# KiCad board myCnc2.kicad_pcb (continued)
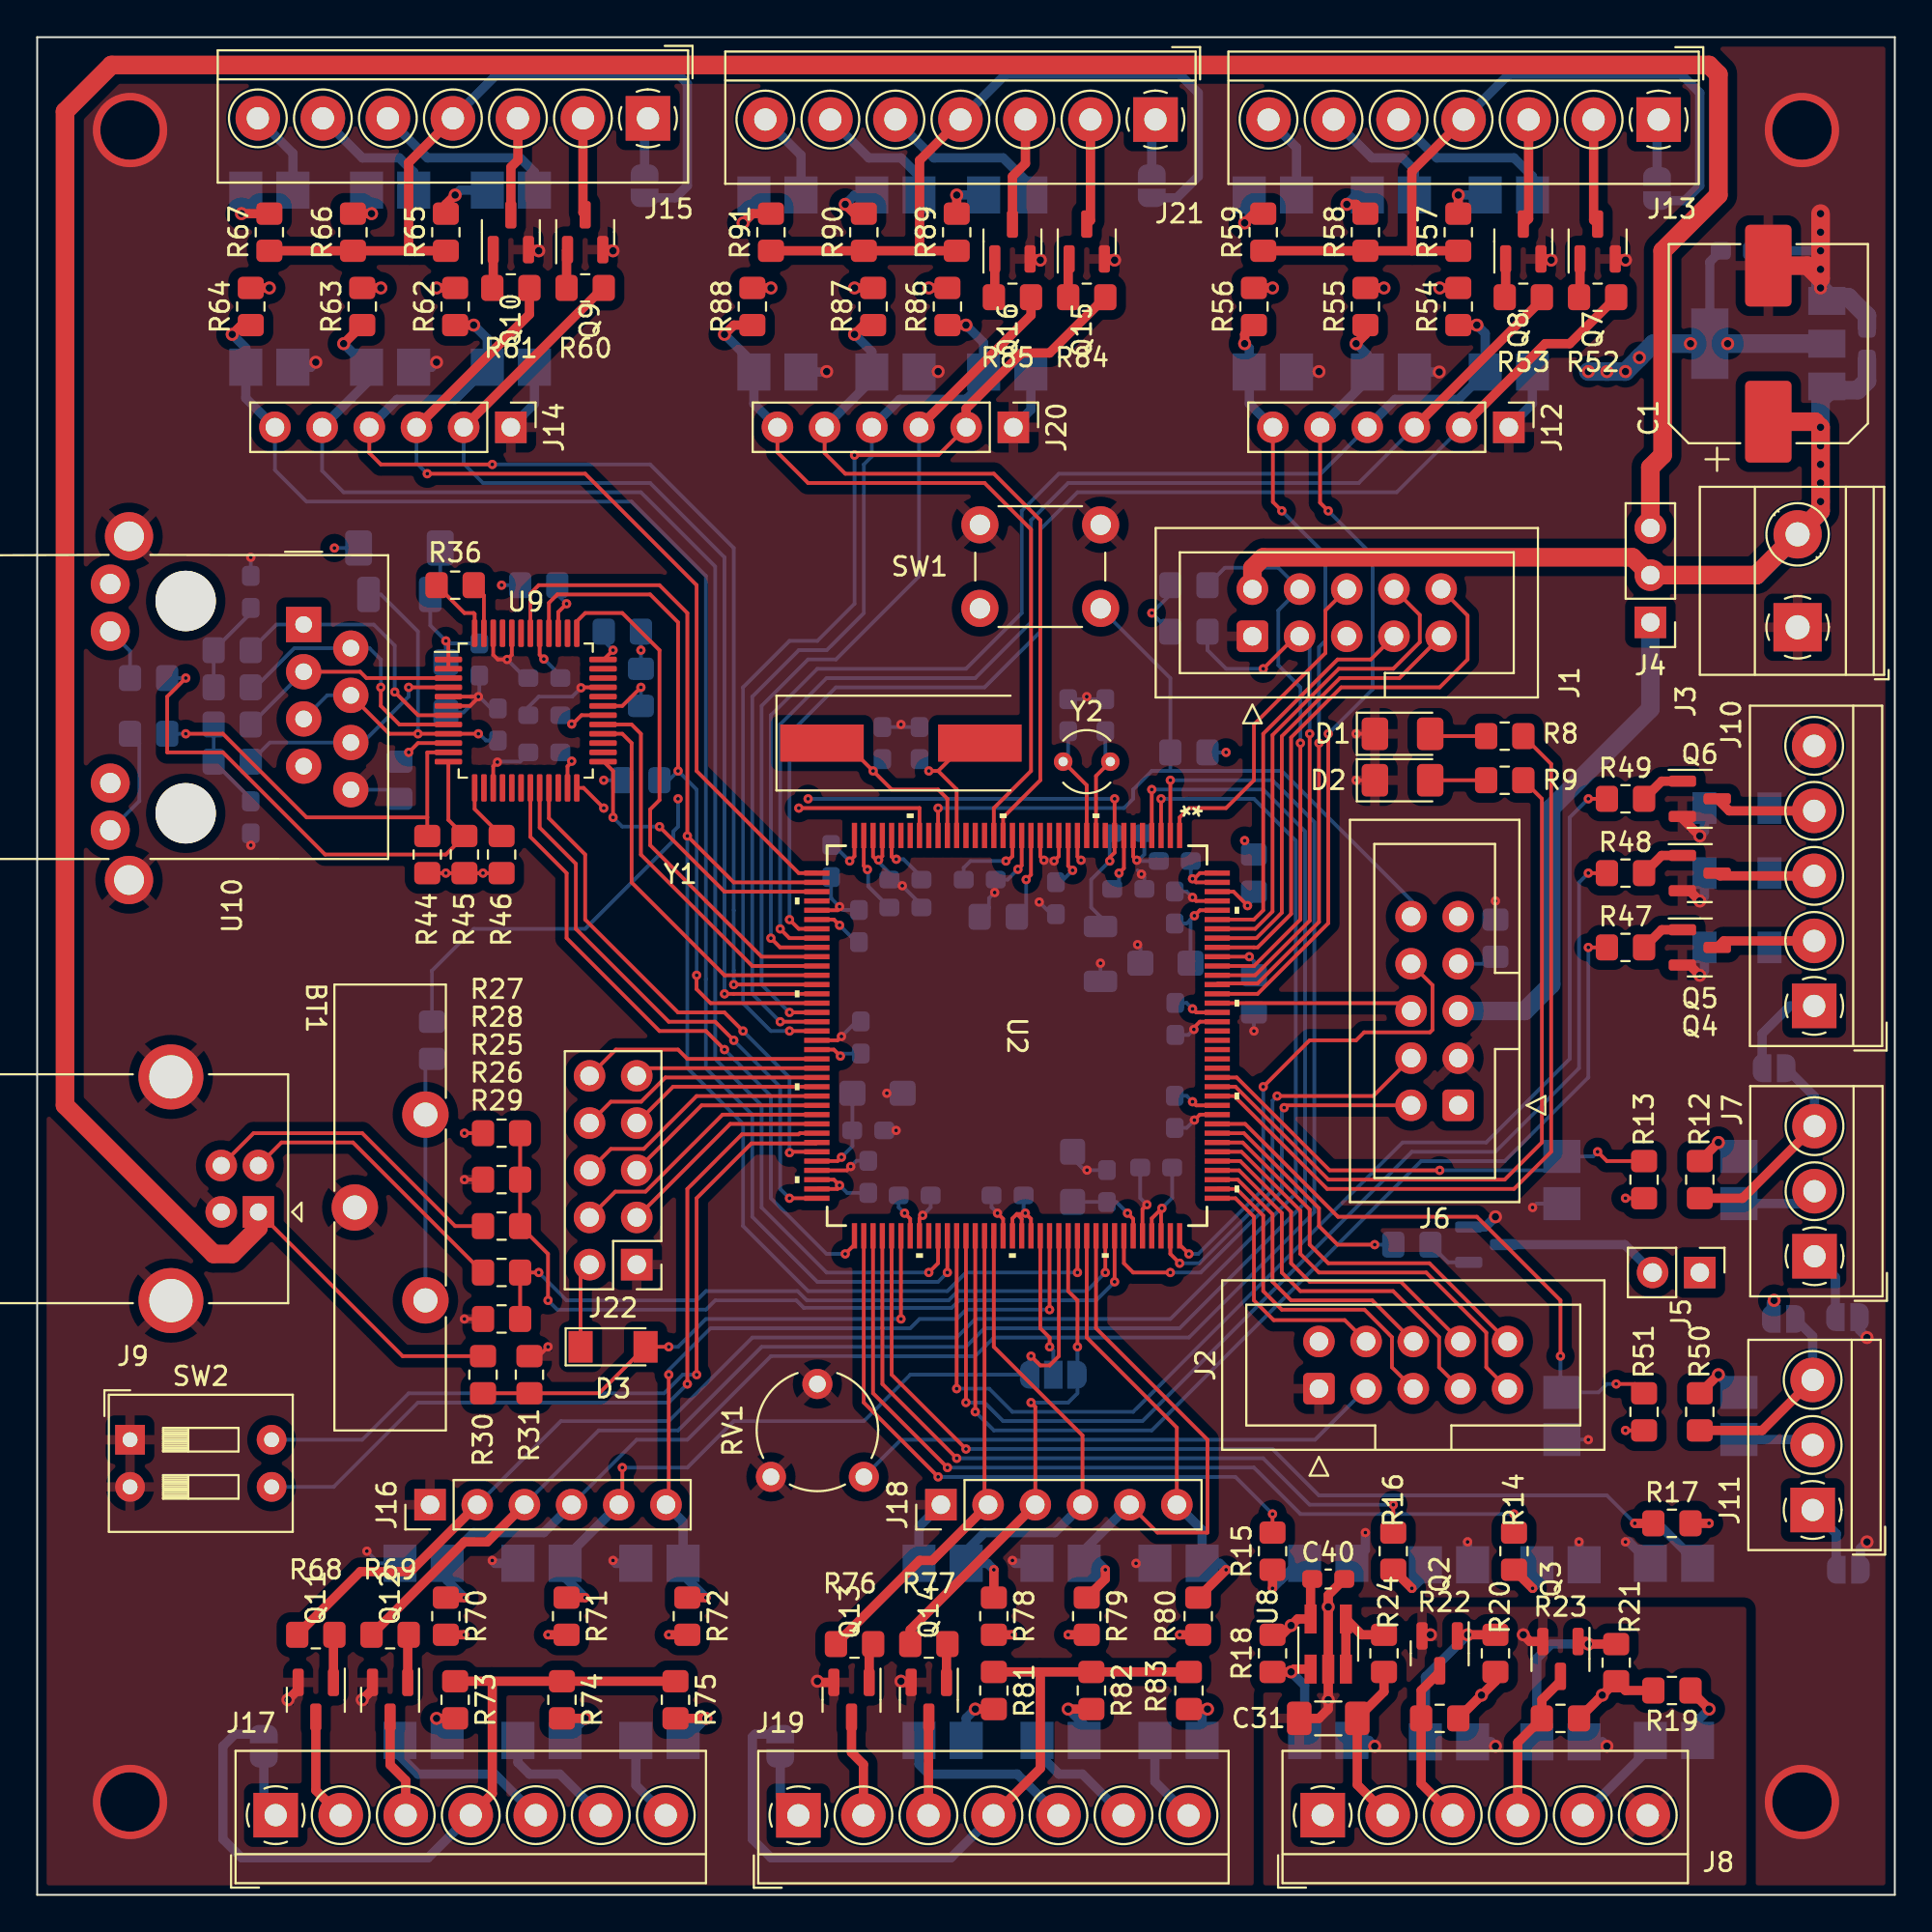
[diagram p0: board, top side]
## Footprints (pads in the part's own frame, mm; a bottom-side part is the same pattern mirrored in y, then rotated) (continued)
  rect 0.279x1.359 smd: 37(-8.752,-10.776) 38(-8.252,-10.776) 39(-7.752,-10.776) 40(-7.252,-10.776) 41(-6.752,-10.776) 42(-6.252,-10.776) 43(-5.751,-10.776) 44(-5.251,-10.776) 45(-4.751,-10.776) 46(-4.251,-10.776) 47(-3.751,-10.776) 48(-3.251,-10.776) 49(-2.751,-10.776) 50(-2.251,-10.776) 51(-1.75,-10.776) 52(-1.25,-10.776) 53(-0.75,-10.776) 54(-0.25,-10.776) 55(0.25,-10.776) 56(0.75,-10.776) 57(1.25,-10.776) 58(1.75,-10.776) 59(2.251,-10.776) 60(2.751,-10.776) 61(3.251,-10.776) 62(3.751,-10.776) 63(4.251,-10.776) 64(4.751,-10.776) 65(5.251,-10.776) 66(5.751,-10.776) 67(6.252,-10.776) 68(6.752,-10.776) 69(7.252,-10.776) 70(7.752,-10.776) 71(8.252,-10.776) 72(8.752,-10.776) 109(8.752,10.776) 110(8.252,10.776) 111(7.752,10.776) 112(7.252,10.776) 113(6.752,10.776) 114(6.252,10.776) 115(5.751,10.776) 116(5.251,10.776) 117(4.751,10.776) 118(4.251,10.776) 119(3.751,10.776) 120(3.251,10.776) 121(2.751,10.776) 122(2.251,10.776) 123(1.75,10.776) 124(1.25,10.776) 125(0.75,10.776) 126(0.25,10.776) 127(-0.25,10.776) 128(-0.75,10.776) 129(-1.25,10.776) 130(-1.75,10.776) 131(-2.251,10.776) 132(-2.751,10.776) 133(-3.251,10.776) 134(-3.751,10.776) 135(-4.251,10.776) 136(-4.751,10.776) 137(-5.251,10.776) 138(-5.751,10.776) 139(-6.252,10.776) 140(-6.752,10.776) 141(-7.252,10.776) 142(-7.752,10.776) 143(-8.252,10.776) 144(-8.752,10.776)
MTJ-88TX1-FSP
  round 3.25 hole 3.25 unplated: (-1.27,-6.35) (10.16,-6.35)
  rect 1.9x1.9 hole 0.9: 1(0,0)
  round 1.9 hole 0.9: 2(1.27,2.54) 3(2.54,0) 4(3.81,2.54) 5(5.08,0) 6(6.35,2.54) 7(7.62,0) 8(8.89,2.54)
  round 2.1 hole 1.1: L1(-2.18,-10.41) L2(0.36,-10.41) L3(8.53,-10.41) L4(11.07,-10.41)
  round 2.6 hole 1.6: SH(-4.75,-9.4) SH(13.75,-9.4)
PinHeader_1x02_P2.54mm_Vertical
  rect 1.7x1.7 hole 1: 1(0,0)
  oval 1.7x1.7 hole 1: 2(0,-2.54)
PinHeader_1x03_P2.54mm_Vertical
  rect 1.7x1.7 hole 1: 1(0,0)
  oval 1.7x1.7 hole 1: 2(0,-2.54) 3(0,-5.08)
PinHeader_1x06_P2.54mm_Vertical
  rect 1.7x1.7 hole 1: 1(0,0)
  oval 1.7x1.7 hole 1: 2(0,-2.54) 3(0,-5.08) 4(0,-7.62) 5(0,-10.16) 6(0,-12.7)
PinHeader_2x05_P2.54mm_Vertical
  rect 1.7x1.7 hole 1: 1(0,0)
  oval 1.7x1.7 hole 1: 2(2.54,0) 3(0,-2.54) 4(2.54,-2.54) 5(0,-5.08) 6(2.54,-5.08) 7(0,-7.62) 8(2.54,-7.62) 9(0,-10.16) 10(2.54,-10.16)
Potentiometer_Piher_PT-6-V_Vertical
  round 1.62 hole 0.9: 1(0,0) 2(5,2.5) 3(0,5)
R_0805_2012Metric_Pad1.20x1.40mm_HandSolder
  rrect 1.2x1.4 smd: 1(-1,0) 2(1,0)
SMDIP-4_W9.53mm
  rect 2x1.78 smd: 1(-4.765,1.27) 2(-4.765,-1.27) 3(4.765,-1.27) 4(4.765,1.27)
SolderJumper-2_P1.3mm_Open_RoundedPad1.0x1.5mm
  custom 1x1.5 smd: 1(-0.65,0) 2(0.65,0)
SolderJumper-3_P1.3mm_Open_RoundedPad1.0x1.5mm
  custom 1.05x1.5 smd: 1(-1.3,0) 3(1.3,0)
  rect 1x1.5 smd: 2(0,0)
SOT-23
  rrect 1.475x0.6 smd: 1(-0.938,0.95) 2(-0.938,-0.95) 3(0.938,0)
SOT-23-5_HandSoldering
  rect 1.56x0.65 smd: 1(-1.35,0.95) 2(-1.35,0) 3(-1.35,-0.95) 4(1.35,-0.95) 5(1.35,0.95)
SOT-223-3_TabPin2
  rect 2x1.5 smd: 1(-3.15,2.3) 2(-3.15,0) 3(-3.15,-2.3)
  rect 2x3.8 smd: 2(3.15,0)
SW_DIP_SPSTx02_Slide_9.78x7.26mm_W7.62mm_P2.54mm
  rect 1.6x1.6 hole 0.8: 1(0,0)
  oval 1.6x1.6 hole 0.8: 2(0,-2.54) 3(7.62,-2.54) 4(7.62,0)
SW_PUSH_6mm
  round 2 hole 1.1: 1(0,0) 1(6.5,0) 2(0,-4.5) 2(6.5,-4.5)
TerminalBlock_4Ucon_1x03_P3.50mm_Horizontal
  rect 2.4x2.4 hole 1.2: 1(0,0)
  round 2.4 hole 1.2: 2(3.5,0) 3(7,0)
TerminalBlock_4Ucon_1x05_P3.50mm_Horizontal
  rect 2.4x2.4 hole 1.2: 1(0,0)
  round 2.4 hole 1.2: 2(3.5,0) 3(7,0) 4(10.5,0) 5(14,0)
TerminalBlock_4Ucon_1x06_P3.50mm_Horizontal
  rect 2.4x2.4 hole 1.2: 1(0,0)
  round 2.4 hole 1.2: 2(3.5,0) 3(7,0) 4(10.5,0) 5(14,0) 6(17.5,0)
TerminalBlock_4Ucon_1x07_P3.50mm_Horizontal
  rect 2.4x2.4 hole 1.2: 1(0,0)
  round 2.4 hole 1.2: 2(3.5,0) 3(7,0) 4(10.5,0) 5(14,0) 6(17.5,0) 7(21,0)
TerminalBlock_Phoenix_MKDS-1,5-2_1x02_P5.00mm_Horizontal
  rect 2.6x2.6 hole 1.3: 1(0,0)
  round 2.6 hole 1.3: 2(5,0)
USB_B_OST_USB-B1HSxx_Horizontal
  rect 1.7x1.7 hole 0.92: 1(0,0)
  round 1.7 hole 0.92: 2(0,-2.5) 3(2,-2.5) 4(2,0)
  round 3.5 hole 2.33: 5(4.71,4.77) 5(4.71,-7.27)

## Nets
+5V: C1.1 C6.1 J1.2 J2.2 J3.2 J4.2 J5.1 J10.1 J13.1 J15.1 J17.1 J19.1 J21.1 JP2.2 JP4.2 JP6.1 JP7.1 JP8.1 JP9.1 JP10.1 U1.3
+10V: C40.1 J8.1 R18.2 R19.2 R20.2 R21.2 R22.2 R23.2 U8.5
/5V_JTAG: J4.1 J6.5
/VBAT: C11.1 C13.1 R6.2 U2.8
GND: BT1.2 C1.2 C2.1 C3.1 C4.1 C5.1 C6.2 C7.2 C8.2 C9.2 C10.2 C11.2 C12.2 C13.2 C14.2 C15.2 C16.2 C17.2 C18.2 C19.2 C20.2 C21.2 C22.2 C23.2 C24.2 C25.2 C26.2 C27.2 C28.2 C29.2 C30.2 C32.2 C33.2 C34.2 C35.1 C36.2 C37.1 C38.2 C39.2 D1.1 D2.1 D4.2 D5.2 D6.2 J1.1 J2.1 J3.1 J6.3 J9.4 J9.5 J10.5 J12.1 J14.1 J16.1 J18.1 J20.1 J22.1 JP3.2 JP5.2 Q1.2 Q4.2 Q5.2 Q6.2 Q7.2 Q8.2 Q9.2 Q10.2 Q11.2 Q12.2 Q13.2 Q14.2 Q15.2 Q16.2 R5.1 R7.2 R11.2 R28.1 R29.1 R31.1 R34.1 RV1.2 RV1.3 SW1.1 SW2.1 SW2.2 U1.1 U2.6 U2.12 U2.14 U2.16 U2.18 U2.33 U2.34 U2.41 U2.55 U2.69 U2.80 U2.89 U2.104 U2.118 U2.128 U2.141 U3.3 U4.2 U5.2 U6.2 U7.3 U9.5 U9.6 U9.15 U9.33 U9.44 U9.46 U10.8 U10.SH U11.3 U12.3 U13.3 U14.3 U15.3 U16.3 U17.3 U18.3 U19.3 U20.3 U21.3 U22.3 U23.3 U24.3 U25.3 U26.3
GND1: C31.2 C40.2 J8.6 Q2.2 Q3.2 U4.3 U5.3 U6.3 U8.2
VDD: C8.1 C17.1 C18.1 C19.1 C20.1 C21.1 C22.1 C23.1 C24.1 C25.1 C26.1 C27.1 C28.1 C29.1 C30.1 C32.1 C33.1 C34.1 D3.1 J1.5 J6.1 J22.2 L1.1 R1.2 R2.2 R4.1 R10.2 R13.2 R17.2 R27.2 R32.1 R33.1 R35.1 R37.2 R44.2 R45.2 R46.2 R51.2 R54.2 R55.2 R56.2 R62.2 R63.2 R64.2 R70.2 R71.2 R72.2 R78.2 R79.2 R80.2 R86.2 R87.2 R88.2 U1.2 U2.7 U2.13 U2.19 U2.32 U2.36 U2.42 U2.56 U2.70 U2.71 U2.79 U2.90 U2.91 U2.92 U2.105 U2.106 U2.119 U2.129 U2.143 U2.144 U9.23 U9.30 U9.41 U10.L1 U10.L3
VDDA: C38.1 C39.1 FB1.1 L1.2 U9.1 U9.2
/AXE1_DIR: J12.2 R52.2 U2.43
/AXE1_E1: J12.5 R55.1 U2.131 U13.4
/AXE1_E2: J12.6 R56.1 U2.132 U14.4
/AXE1_LIM: J12.4 R54.1 U2.45 U12.4
/AXE1_PULSE: J12.3 R53.1 U2.44
/AXE2_DIR: J14.2 R60.2 U2.50
/AXE2_E1: J14.5 R63.1 U2.82 U16.4
/AXE2_E2: J14.6 R64.1 U2.83 U17.4
/AXE2_LIM: J14.4 R62.1 U2.49 U15.4
/AXE2_PULSE: J14.3 R61.1 U2.37
/AXE3_DIR: J16.2 R68.2 U2.3
/AXE3_E1: J16.5 JP1.1 R71.1 U2.95 U19.4
/AXE3_E2: J16.6 R72.1 U2.94 U20.4
/AXE3_LIM: J16.4 R70.1 U2.2 U18.4
/AXE3_PULSE: J16.3 R69.1 U2.4
/AXE4_DIR: J20.2 R84.2 U2.54
/AXE4_E1: J20.5 R87.1 U2.20 U25.4
/AXE4_E2: J20.6 R88.1 U2.21 U26.4
/AXE4_LIM: J20.4 R86.1 U2.53 U24.4
/AXE4_PULSE: J20.3 R85.1 U2.52
/AXE5_DIR: J18.2 R76.2 U2.87
/AXE5_E1: J18.5 R79.1 U2.99 U22.4
/AXE5_E2: J18.6 R80.1 U2.98 U23.4
/AXE5_LIM: J18.4 R78.1 U2.88 U21.4
/AXE5_PULSE: J18.3 JP1.3 R77.1 U2.96
/CLK_50MHZ: U2.38 U2.97 U9.42
/ESTOP: R13.1 U2.122 U3.4
/ETH_CRS_DV: U2.46 U9.37
/ETH_MDC: U2.29 U9.24
/ETH_MDIO: U2.39 U9.25
/ETH_RESET: R32.2 U2.51 U9.40
/ETH_RXD0: U2.47 U9.29
/ETH_RXD1: U2.48 U9.28
/ETH_TXD0: U2.72 U9.20
/ETH_TXD1: U2.73 U9.19
/ETH_TXEN: U2.67 U9.21
/Ethernet/L0: R40.1 R44.1 U9.11
/Ethernet/L1: R41.1 R45.1 U9.12
/Ethernet/L2: R46.1 U9.13
/Ethernet/RD+: R38.2 U9.3 U10.3
/Ethernet/RD-: R39.2 U9.4 U10.6
/Ethernet/TD+: R42.2 U9.7 U10.1
/Ethernet/TD-: R43.2 U9.8 U10.2
/I2C_SCL: J1.3 R1.1 U2.133
/I2C_SDA: J1.4 R2.1 U2.134
/LCD_BL: R3.1 U2.116
/LCD_D4: J2.7 U2.112
/LCD_D5: J2.8 U2.113
/LCD_D6: J2.9 U2.114
/LCD_D7: J2.10 U2.115
/LCD_E: J2.6 U2.111
/LCD_RS: J2.4 U2.109
/LCD_RW: J2.5 U2.110
/LED1: R8.2 U2.120
/LED2: R9.2 U2.121
/panel_D0: J1.6 U2.1
/panel_D1: J1.7 U2.139
/panel_D2: J1.8 U2.138
/panel_D3: J1.9 U2.137
/panel_D4: J1.10 U2.136
/PROBE: R51.1 U2.117 U11.4
/RELAY1: R47.1 U2.86
/RELAY2: R48.1 U2.85
/RELAY3: R49.1 U2.84
/RESET: J6.10 R4.2 SW1.2 U2.27
/SP_DIR: R14.2 U2.75
/SP_ENA: R16.2 U2.76
/SP_PULSE: R15.2 U2.74
/SP_TEST: R17.1 U2.77 U7.4
/SW1: SW2.4 U2.66
/SW2: SW2.3 U2.65
/TCK: J6.4 U2.107
/TDI: J6.8 U2.108
/TDO: J6.6 U2.130
/TEST1: J22.3 U2.64
/TEST2: J22.4 U2.63
/TEST3: J22.5 U2.62
/TEST4: J22.6 U2.61
/TEST5: J22.7 U2.60
/TEST6: J22.8 U2.59
/TEST7: J22.9 U2.58
/TEST8: J22.10 U2.57
/TIM8CH1: JP1.2 U2.93
/TMS: J6.2 U2.102
/USB_DM: R26.2 R29.2 U2.100
/USB_DP: R25.2 R27.1 R28.2 U2.101
/USB_PWR: J4.3 J9.1 R30.2
/USB_SENSE: D3.2 R30.1 R31.2 U2.78
/VCAP1: C9.1 C10.1 U2.68
/VCAP2: C12.1 C14.1 U2.140
/VCAP3: C15.1 C16.1 U2.103
Net-(BT1-Pad1): BT1.1 R6.1
Net-(C2-Pad2): C2.2 U2.25 Y1.2
Net-(C3-Pad2): C3.2 U2.26 Y1.1
Net-(C4-Pad2): C4.2 U2.10 Y2.2
Net-(C5-Pad2): C5.2 U2.11 Y2.1
Net-(C7-Pad1): C7.1 U2.35
Net-(C31-Pad1): C31.1 J8.2 R24.2
Net-(C35-Pad2): C35.2 R38.1 R39.1
Net-(C36-Pad1): C36.1 FB1.2 U9.9 U10.4 U10.5
Net-(C37-Pad2): C37.2 R42.1 R43.1
Net-(D1-Pad2): D1.2 R8.1
Net-(D2-Pad2): D2.2 R9.1
Net-(D4-Pad1): D4.1 J10.2 Q4.3
Net-(D5-Pad1): D5.1 J10.3 Q5.3
Net-(D6-Pad1): D6.1 J10.4 Q6.3
Net-(J2-Pad3): J2.3 RV1.1
Net-(J5-Pad2): J5.2 Q1.3
Net-(J6-Pad7): J6.7 R7.1
Net-(J7-Pad1): J7.1 JP3.1
Net-(J7-Pad2): J7.2 U3.2
Net-(J7-Pad3): J7.3 JP2.1 R12.2
Net-(J8-Pad3): J8.3 Q2.3 R22.1
Net-(J8-Pad4): J8.4 Q3.3 R23.1
Net-(J8-Pad5): J8.5 U7.2
Net-(J9-Pad2): J9.2 R26.1
Net-(J9-Pad3): J9.3 R25.1
Net-(J11-Pad1): J11.1 JP5.1
Net-(J11-Pad2): J11.2 U11.2
Net-(J11-Pad3): J11.3 JP4.1 R50.2
Net-(J13-Pad2): J13.2 Q7.3
Net-(J13-Pad3): J13.3 Q8.3
Net-(J13-Pad4): J13.4 JP6.2 R57.1 R58.1 R59.1
Net-(J13-Pad5): J13.5 U12.2
Net-(J13-Pad6): J13.6 U13.2
Net-(J13-Pad7): J13.7 U14.2
Net-(J15-Pad2): J15.2 Q9.3
Net-(J15-Pad3): J15.3 Q10.3
Net-(J15-Pad4): J15.4 JP7.2 R65.1 R66.1 R67.1
Net-(J15-Pad5): J15.5 U15.2
Net-(J15-Pad6): J15.6 U16.2
Net-(J15-Pad7): J15.7 U17.2
Net-(J17-Pad2): J17.2 Q11.3
Net-(J17-Pad3): J17.3 Q12.3
Net-(J17-Pad4): J17.4 JP8.2 R73.1 R74.1 R75.1
Net-(J17-Pad5): J17.5 U18.2
Net-(J17-Pad6): J17.6 U19.2
Net-(J17-Pad7): J17.7 U20.2
Net-(J19-Pad2): J19.2 Q13.3
Net-(J19-Pad3): J19.3 Q14.3
Net-(J19-Pad4): J19.4 JP9.2 R81.1 R82.1 R83.1
Net-(J19-Pad5): J19.5 U21.2
Net-(J19-Pad6): J19.6 U22.2
Net-(J19-Pad7): J19.7 U23.2
Net-(J21-Pad2): J21.2 Q15.3
Net-(J21-Pad3): J21.3 Q16.3
Net-(J21-Pad4): J21.4 JP10.2 R89.1 R90.1 R91.1
Net-(J21-Pad5): J21.5 U24.2
Net-(J21-Pad6): J21.6 U25.2
Net-(J21-Pad7): J21.7 U26.2
Net-(Q1-Pad1): Q1.1 R3.2
Net-(Q2-Pad1): Q2.1 R20.1 U5.4
Net-(Q3-Pad1): Q3.1 R21.1 U6.4
Net-(Q4-Pad1): Q4.1 R47.2
Net-(Q5-Pad1): Q5.1 R48.2
Net-(Q6-Pad1): Q6.1 R49.2
Net-(Q7-Pad1): Q7.1 R52.1
Net-(Q8-Pad1): Q8.1 R53.2
Net-(Q9-Pad1): Q9.1 R60.1
Net-(Q10-Pad1): Q10.1 R61.2
Net-(Q11-Pad1): Q11.1 R68.1
Net-(Q12-Pad1): Q12.1 R69.2
Net-(Q13-Pad1): Q13.1 R76.1
Net-(Q14-Pad1): Q14.1 R77.2
Net-(Q15-Pad1): Q15.1 R84.1
Net-(Q16-Pad1): Q16.1 R85.2
Net-(R5-Pad2): R5.2 U2.17
Net-(R10-Pad1): R10.1 U2.142
Net-(R11-Pad1): R11.1 U2.135
Net-(R12-Pad1): R12.1 U3.1
Net-(R14-Pad1): R14.1 U6.1
Net-(R15-Pad1): R15.1 U4.1
Net-(R16-Pad1): R16.1 U5.1
Net-(R18-Pad1): R18.1 U4.4 U8.1
Net-(R19-Pad1): R19.1 U7.1
Net-(R24-Pad1): R24.1 U8.3 U8.4
Net-(R33-Pad2): R33.2 U9.36
Net-(R34-Pad2): R34.2 U9.10
Net-(R35-Pad2): R35.2 U9.39
Net-(R36-Pad1): R36.1 U9.47
Net-(R36-Pad2): R36.2 U9.48
Net-(R37-Pad1): R37.1 U9.31
Net-(R40-Pad2): R40.2 U10.L4
Net-(R41-Pad2): R41.2 U10.L2
Net-(R50-Pad1): R50.1 U11.1
Net-(R57-Pad2): R57.2 U12.1
Net-(R58-Pad2): R58.2 U13.1
Net-(R59-Pad2): R59.2 U14.1
Net-(R65-Pad2): R65.2 U15.1
Net-(R66-Pad2): R66.2 U16.1
Net-(R67-Pad2): R67.2 U17.1
Net-(R73-Pad2): R73.2 U18.1
Net-(R74-Pad2): R74.2 U19.1
Net-(R75-Pad2): R75.2 U20.1
Net-(R81-Pad2): R81.2 U21.1
Net-(R82-Pad2): R82.2 U22.1
Net-(R83-Pad2): R83.2 U23.1
Net-(R89-Pad2): R89.2 U24.1
Net-(R90-Pad2): R90.2 U25.1
Net-(R91-Pad2): R91.2 U26.1

Pads without a net: J6 9; U2 5 9 15 22 23 24 28 30 31 40 81 123 124 125 126 127; U9 14 16 17 18 22 26 27 32 34 35 38 43 45; U10 7

## Via types
v1: diameter 0.5, hole 0.2, Top to Bottom, 198 vias
v2: diameter 0.7, hole 0.4, Top to Bottom, 88 vias
v3: diameter 4, hole 3.2, Top to Bottom, 4 vias

## Routing (per net, layer and track width the routed paths; a pad name or vN(x,y) marks a point on that pad's centre or on a via; arc(x,y) is an arc through that point)
+5V: length 108.6
  Top w1: C1.1 95.7,79.3 v2(96,79) v2(96,75) 96,74.5 92.54,71.04 J4.2 85.88,72 66,72 65.42,71.42 J1.2
  In2.Cu w1: 91.5,33.5 J5.1 87.95,31.95 71.16,31.95 J2.2
  Bottom w0.5: J21.1 60,95.37 JP10.1 ; JP6.1 87.2,95.48 J13.1 ; J10.1 94.35,47.85 92.85,46.35 JP2.2 ; JP9.1 40,5.26 J19.1 ; J15.1 32.7,95.45 JP7.1 ; JP4.2 93.35,31.85 v2(93.5,32) ; JP8.1 12.2,4.93 J17.1
  Bottom w1: C6.1 98.5,81.5 98,81 96.54,81 U1.3 96.34,80.84 96,80.5 v2(96,79) v2(96,78) v2(96,77) v2(96,76) v2(96,75) 96,74.47 J3.2 92.57,71.04 J4.2
+10V: length 13
  Top w0.5: R18.2 67,14 v2(67.5,14.5) 67.85,14.85 U8.5 68.55,16.91 C40.1 ; R19.2 85.5,11 R21.2 v2(84.25,10.75) R23.2 ; R22.2 v2(77.75,10.75) 78.5,11.5 R20.2
/5V_JTAG: length 27.3
  Bottom w1: J6.5 80.08,47.58 81.5,49 81.5,58.5 86.84,63.84 J4.1
/VBAT: length 53.7
  Top w0.2: v1(57.74,55.65) 57.74,55.85 58,56.11 U2.8 v1(58,59)
  In2.Cu w0.2: v1(41.5,59) v1(34.5,59)
  Bottom w0.2: v1(41.5,59) 56.5,59 56.5,59 58,59 v1(58,59) ; R6.2 21.25,49.75 23.5,52 29.5,52 34.25,56.75 34.25,57.25 34.5,57.5 v1(34.5,59) ; C13.1 57.74,57.01 v1(57.74,55.65) 56.74,54.65 56.74,53.15 57.24,52.65 C11.1
GND: length 170.5
  Top w0.2: 47.74,36.65 v1(47.67,36.58) 47.5,36.41 U2.80 ; U9.44 25.55,66.75 v1(25.3,66.5) 24.8,66.5 24.55,66.75 U9.46 ; U9.6 23.3,64 23.8,64.5 v1(23.75,64.5) U9.5 ; U2.141 62.39,53.5 62.24,53.65 ; U9.15 24.55,60.75 v1(24.77,60.97) 24.8,61 ; 56.24,55.65 v1(56.19,55.69) 56,55.89 U2.12 ; R31.1 27,29 v1(27.5,29.5) ; 59.24,55.65 v1(59.19,55.69) 59,55.89 U2.6 ; 43.74,39.15 43.59,39 U2.69 ; 54.24,55.65 v1(54.19,55.69) 54,55.89 U2.16 ; v1(59.74,37.15) 59.5,36.91 U2.104 ; U9.33 29.3,65 ; 43.24,53.15 43.09,53 U2.41 ; D2.1 v1(71,60) ; v1(52.79,55.21) 53,55.41 U2.18 ; U2.34 45,55.89 45.24,55.65 v1(45.29,55.71) 45.5,55.91 U2.33 ; U2.118 62.59,42 v1(62.29,41.71) 62.24,41.65 ; U2.89 52,36.39 51.74,36.65 ; U2.128 62.59,47 62.24,46.65 62.27,46.62 v1(62.27,46.59) ; D1.1 v1(71,62.5) ; U2.55 43.09,46 43.24,46.15 ; U2.14 55,55.91 v1(54.74,55.65) ; R29.1 v1(23,31) ; R28.1 v1(23,38.5)
  Top w0.5: v2(27,88.5) 26.94,88.56 Q10.2 ; Q8.2 81.44,88.06 v2(81.5,88) ; v2(89.5,49.5) 88.95,50.05 Q4.2 ; Q12.2 18.05,11.05 v2(17.5,10.5) ; v2(31,88.5) 30.94,88.56 Q9.2 ; v2(42,11.5) 42.06,11.44 Q13.2 ; Q5.2 88.95,54.05 v2(89.5,53.5) ; v2(46.5,11.5) 46.56,11.44 Q14.2 ; Q7.2 85.44,88.06 v2(85.5,88) ; v2(89.5,57) 88.56,57.94 Q6.2 ; v2(54,88) 53.94,88.06 Q16.2 ; Q11.2 14.05,11.05 v2(13.5,10.5) ; Q15.2 57.94,88.06 v2(58,88)
  Top w1: v2(96,90.5) 96,87 95.3,87.7 C1.2
  Bottom w0.2: 23.8,64.5 22.95,63.65 C38.2 ; 23.8,64.5 C39.2 ; 23.8,64.5 24.44,63.86 C36.2 ; C21.2 54.6,52.79 v1(53.94,53.44) ; 29.3,65 v1(29.27,64.97) 28.8,64.5 27,64.5 26.44,63.94 C34.2 ; C23.2 61.97,46.29 v1(62.27,46.59) ; 52.74,55.15 52.24,54.65 C26.2 51.6,54.01 v1(51.54,53.96) 51.24,53.65 51.24,53.15 R5.1 ; C5.1 56.36,64.36 v1(56.5,64.5) 56.64,64.36 C4.1 ; U18.3 18.41,17.84 v1(17.75,18.5) ; C3.1 46.36,62.86 v1(46.5,63) 46.64,62.86 C2.1 ; U10.8 19.01,59.49 R34.1 ; C22.2 48.1,37.01 47.74,36.65 ; C33.2 26.3,65.5 v1(25.3,66.5) ; C7.2 47.6,53.29 v1(46.57,54.32) 46.24,54.65 C18.2 45.88,55.01 45.24,55.65 ; C12.2 59.39,51 v1(59.24,51.15) ; C27.2 59.6,54.79 v1(59.44,54.94) 59.24,55.15 ; C8.2 44.1,47.01 v1(43.29,46.21) ; C20.2 44.1,39.51 v1(43.79,39.21) ; C29.2 59.24,55.65 59.6,56.01 C13.2 ; 62.24,53.65 v1(62.19,53.69) 61.88,54.01 C14.2 ; 24.8,61 26,61 26.44,61.44 C32.2 ; C35.1 v1(11.5,56.5) ; C11.2 v1(57.24,50.15) ; C15.2 55.74,39.65 56.38,39.01 v1(56.51,39.01) C16.2 ; C28.2 59.38,37.51 v1(59.74,37.15) ; C10.2 v1(46.24,41.15) ; C9.2 v1(45.74,43.15) ; v1(83.5,24.5) 83.49,24.51 U11.3 ; R7.2 v1(78.5,53.5) ; C24.2 42.74,53.65 v1(43.19,53.19) 43.38,53.01 C17.2 ; U3.3 80.71,37.21 v1(80.5,37) ; C30.2 61.88,41.29 62.24,41.65 ; C37.1 v1(11.5,72) ; R11.2 v1(65.5,46.5) ; 51.74,36.65 v1(51.69,36.69) 51.38,37.01 C25.2
  Bottom w0.5: U15.3 26.77,80.27 J14.1 ; v1(77,19) 77,18.03 U5.2 ; Q1.2 77.95,35.95 v2(78.5,36.5) ; J18.1 47.47,19.82 U21.3 ; U25.3 48.47,81.97 v2(48.5,82) ; U20.3 31.16,17.84 v1(31,18) ; v1(24.5,18) 24.66,17.84 U19.3 ; D6.2 89.75,57.25 v2(89.5,57) ; U23.3 v1(59.16,17.84) ; JP5.2 98.15,18.65 v2(98.5,19) ; U22.3 52.66,17.84 v1(52.5,18) ; U14.3 68.97,81.97 v2(69,82) ; U26.3 42.47,81.97 v2(42.5,82) ; JP3.2 98.1,30.4 v2(98.5,30) ; D5.2 89.75,53.75 v2(89.5,53.5) ; J20.1 53.49,79.94 U24.3 ; v2(21.5,82.5) 21.23,82.23 U16.3 ; v2(89.5,49.5) 89.75,49.75 D4.2 ; U17.3 14.73,82.23 v2(15,82.5) ; v1(85.5,19) 85.69,19 U7.3 ; v1(83,19) 83,18.03 U6.2 ; U13.3 v2(75.47,81.97) ; J12.1 80.49,80.27 U12.3 ; v1(71.5,19.5) 71.5,18.58 U4.2 ; C19.2 v2(96,88.5)
  Bottom w1: C6.2 98.5,85 97.5,86 96.54,86 U1.1 96.34,86.16 v2(96,86.5) v2(96,87.5) v2(96,88.5) v2(96,89.5) v2(96,90.5)
  vias: v3(5,95) v3(5,5) v3(95,95) v3(95,5)
GND1: length 14.8
  Top w0.5: Q2.2 74.94,13.94 v2(75,14) ; v2(80,14) 80.36,13.64 Q3.2 ; C40.2 69.5,16.14 v2(69.5,15.5) U8.2 v2(69.5,10.5) 69.5,10 69,9.5 C31.2
  Bottom w0.5: v2(72,8) 71.69,8.31 U4.3 ; v2(84.5,8) 84.27,8.23 U6.3 ; v2(78.5,8) 78.27,8.23 U5.3
VDD: length 113.3
  Top w0.2: 52.24,55.65 52.5,55.91 U2.19 ; U9.30 29.3,63.5 28.8,63 ; U2.90 52.5,36.41 52.74,36.65 ; J22.2 29.25,33.44 D3.1 ; 52.74,36.65 53,36.39 U2.91 ; 52.74,36.65 53.24,36.65 53.5,36.39 U2.92 ; U2.56 42.89,45.5 v1(43.24,45.15) ; U2.129 62.39,47.5 62.24,47.65 ; U2.71 43.09,38 43.24,38.15 v1(43.19,38.19) 42.89,38.5 U2.70 ; U2.32 46,55.89 46.14,55.75 46.11,55.75 ; U2.79 47,36.39 46.74,36.65 ; v1(43.74,55.65) 44,55.91 U2.36 ; U2.13 55.5,55.39 v1(55.74,55.15) ; U2.105 60,36.41 v1(60.54,36.96) 60.5,36.91 U2.106 ; v1(43.19,52.19) 42.89,52.5 U2.42 ; U2.7 58.5,55.26 v1(58.24,55) ; U2.119 62.39,42.5 62.24,42.65 ; U9.41 27.05,66.75 v1(27.27,66.53) ; U9.23 28.55,60.75 28.8,61 ; R27.2 v1(23,41) ; R13.2 v1(85.5,37.5) ; R44.2 v1(22,55) R45.2 v1(24,55) R46.2 ; U2.143 62.39,54.5 62.24,54.65 62.59,55 U2.144 ; R51.2 v1(85.5,25)
  Top w0.5: R79.2 v1(55.5,14) ; R70.2 v1(23,14) ; R87.2 v2(44,86.5) ; R63.2 v2(18.5,86.5) ; R17.2 v1(90,20) ; R62.2 v2(21.5,86.5) ; R54.2 v2(75.5,86.5) ; R78.2 v1(52.5,14) ; R56.2 v2(66.5,86.5) ; R71.2 v1(27.5,14) ; R64.2 v2(12.5,86.5) ; R55.2 v2(72.5,86.5) ; R80.2 v1(61.5,14) ; R88.2 v2(39.5,86.5) ; R72.2 v1(34,14) ; R86.2 v2(48,86.5)
  Bottom w0.2: C30.1 61.88,43.01 v1(62.19,42.69) ; v1(62.19,47.69) 61.88,48.01 C23.1 ; v1(60.54,36.96) 61.1,37.51 C28.1 ; v1(28.77,63.03) 28.3,63.5 C34.1 ; L1.1 v1(16,72.5) ; C24.1 42.88,56.51 v1(43.74,55.65) ; v1(65,56.75) 65.5,56.25 R10.2 ; C27.1 58.24,54.51 v1(58.24,55) ; C21.1 55.1,54.51 v1(55.74,55.15) ; v1(46.25,55.75) 46.64,55.75 47.6,54.79 C18.1 ; R32.1 v1(30.5,60) ; C32.1 28.3,61.5 v1(28.77,61.03) ; C22.1 46.38,37.01 v1(46.69,36.69) ; v1(62.19,54.69) 62.1,54.79 C29.1 ; R1.2 v1(60,69) 61,70 R2.2 ; v1(43.24,45.15) 43.38,45.29 C8.1 ; R33.1 v1(32.5,67) R37.2 ; C26.1 49.88,55.29 50.24,55.65 v1(52.15,55.65) ; C25.1 53.1,36.79 v1(53.19,36.69) ; C17.1 44.1,51.29 43.24,52.15 ; C20.1 43.6,37.79 43.24,38.15 ; R35.1 v1(25,70.5) ; C33.1 28.16,65.64 27.3,66.5 ; R4.1 v1(64,61.5)
  Bottom w0.5: C19.1 90.04,87.9 U1.2
  Bottom w1: v2(83.5,82) v2(84.5,82) v2(85.5,82) v2(86.25,82.75) 87,83.5 v2(89,83.5) v2(91,83.5) U1.2
VDDA: length 10.1
  Top w0.2: v1(22,67.5) 22.14,67.36 U9.1 U9.2
  Bottom w0.2: 22.14,67.36 v1(22,67.5) 21.16,68.34 FB1.1 21.7,70.54 L1.2 ; 22.14,67.36 C39.1 ; 22.14,67.36 22,67.22 C38.1
/AXE1_DIR: length 69.1
  Top w0.2: U2.43 40.99,52 v1(40.5,52.5)
  Top w0.5: R52.2 82.5,83.5 81.18,83.5 J12.2
  Bottom w0.2: J12.2 73.18,75.5 56,75.5 54,73.5 54,68 51,65 43,65 40.5,62.5 40.5,52.5
/AXE1_E1: length 43.4
  Top w0.2: U2.131 65.7,48.5 69.5,52.3 v1(69.5,62.5) ; J12.5 69.06,74.94 v1(69.5,74.5)
  Top w0.5: v2(71,83.5) 71.5,84 R55.1
  Bottom w0.2: v1(69.5,62.5) 71.89,64.89 71.89,72.11 v1(69.5,74.5)
  Bottom w0.5: J12.5 71.6,81.54 U13.4 71.6,82.9 v2(71,83.5)
/AXE1_E2: length 41.2
  Top w0.2: v1(69,62) 69,52.37 65.69,49.06 63.56,49.06 63.52,49.02 U2.132 ; J12.6 66.52,74.98 v1(67,74.5)
  Top w0.5: R56.1 65,84 v2(65,83.5)
  Bottom w0.2: v1(67,74.5) 69.35,72.15 69.35,67.51 69,67.16 v1(69,62)
  Bottom w0.5: J12.6 65.25,80.27 U14.4 65.25,83.25 v2(65,83.5)
/AXE1_LIM: length 67.7
  Top w0.2: v1(39.5,51.5) 39.99,51 U2.45
  Top w0.5: R54.1 v2(77.5,84.5)
  Bottom w0.2: 39.5,51.5 39.5,63.5 42,66 50,66 53,69 53,74.5 55,76.5 69.1,76.5 J12.4
  Bottom w0.5: v2(77.5,84.5) 77.95,84.05 U12.4 77.95,81.95 76.5,80.5 73.1,80.5 J12.4
/AXE1_PULSE: length 67
  Top w0.2: v1(40,52) 40.49,51.5 U2.44
  Top w0.5: R53.1 81,85.86 J12.3
  Bottom w0.2: 40,52 40,63 42.5,65.5 50.5,65.5 53.5,68.5 53.5,74 55.5,76 71.14,76 J12.3
/AXE2_DIR: length 57.2
  Top w0.2: U2.50 37.5,48.5 37.5,48.5 v1(37,48.5)
  Top w0.5: J14.2 30.46,86.5 R60.2
  Bottom w0.2: J14.2 22.96,77.04 24,76 33,76 37,72 37,59.5 36.99,59.5 36.99,48.51 v1(37,48.5)
/AXE2_E1: length 81.2
  Top w0.2: v1(48,33.5) 48.5,34 U2.82
  Top w0.5: R63.1 v2(16.5,83.5)
  Bottom w0.2: 48,33.5 42.5,33.5 39,37 39,42.5 36.5,45 36.5,45 36.5,71.5 32.5,75.5 16.5,75.5 15.34,76.66 J14.5
  Bottom w0.5: J14.5 17.73,81.39 U16.4 17.73,82.27 v2(16.5,83.5)
/AXE2_E2: length 84.7
  Top w0.2: U2.83 v1(49,33.5)
  Top w0.5: R64.1 11,84.5 v2(10.5,84)
  Bottom w0.2: 36,71 31.99,75 14.5,75 12.8,76.7 J14.6 ; v1(49,33.5) 48.5,33 ; 36,71 36,49.29 36,49.29 36,44.5 38.5,42 38.5,36.5 42,33 48.5,33
  Bottom w0.5: v2(10.5,84) 11.23,83.27 U17.4 11.23,80.57 J14.6
/AXE2_LIM: length 62.4
  Top w0.2: v1(24.5,77) 18.5,77 17.88,77.62 J14.4 ; U2.49 v1(37.5,49)
  Top w0.5: R62.1 v2(23.5,84.5)
  Bottom w0.2: v1(37.5,49) 37.5,49 37.5,49.75 37.49,49.76 37.49,53 37.5,53 37.5,72.5 33,77 v1(24.5,77)
  Bottom w0.5: v2(23.5,84.5) 24.23,83.77 U15.4 24.23,82.23 22.5,80.5 19.38,80.5 J14.4
/AXE2_PULSE: length 48.5
  Top w0.2: v1(21,76.5) 29.5,76.5 35.5,70.5 35.5,60.5 40.99,55 U2.37
  Top w0.5: R61.1 26.5,85.08 J14.3
  Bottom w0.2: J14.3 20.42,77.08 v1(21,76.5)
/AXE3_DIR: length 92.7
  Top w0.2: U2.3 v1(60.5,59)
  Top w0.5: R68.2 17.4,17.4 20.09,17.4 J16.2
  Bottom w0.2: v1(60.5,59) 65.5,59 67.75,56.75 67.75,37.75 61,31 50.5,31 49.5,30 38.5,30 34,25.5 28.19,25.5 J16.2
/AXE3_E1: length 43.1
  Top w0.2: v1(53.5,29) 54,28.5 54.5,28.5 55,29 U2.95 ; J16.5 31.5,21.19 v1(31.5,23)
  Top w0.5: R71.1 v1(29.5,16)
  Bottom w0.2: v1(31.5,23) 35,23 37.5,25.5 44.5,25.5 47,28 JP1.1 53.4,28.9 v1(53.5,29)
  Bottom w0.5: v1(29.5,16) 28.42,17.08 U19.4 28.42,18.11 J16.5
/AXE3_E2: length 40
  Top w0.2: v1(34,28) 34,21.5 33.85,21.35 J16.6 ; U2.94 v1(54.5,31.5)
  Top w0.5: R72.1 v1(36,16)
  Bottom w0.2: v1(34,28) 34,28.25 36.25,30.5 47,30.5 47.5,31 49.5,31 50,31.5 v1(54.5,31.5)
  Bottom w0.5: v1(36,16) 34.77,17.23 U20.4 34.77,20.08 J16.6
/AXE3_LIM: length 90.5
  Top w0.2: v1(61,60) U2.2
  Top w0.5: R70.1 v1(23,16)
  Bottom w0.2: J16.4 32.27,24.5 35,24.5 39.5,29 50.5,29 51.5,30 62,30 68.75,36.75 68.75,57.75 66.5,60 v1(61,60)
  Bottom w0.5: v1(23,16) 22.07,16.93 U18.4 22.07,18.07 23.5,19.5 27.27,19.5 J16.4
/AXE3_PULSE: length 91.5
  Top w0.2: U2.4 v1(60,59.5)
  Top w0.5: J16.3 24.23,19 23,19 R69.1
  Bottom w0.2: v1(60,59.5) 66,59.5 68.25,57.25 68.25,37.25 61.5,30.5 51,30.5 50,29.5 39,29.5 34.5,25 30.23,25 J16.3
/AXE4_DIR: length 55.1
  Top w0.2: U2.54 v1(40.5,46.5) ; J20.2 48.51,77.5 v1(44,77.5)
  Top w0.5: R84.2 54.5,83 53,83 50.01,80.01 J20.2
  Bottom w0.2: 40.5,46.5 39.5,46.5 38,48 38,65 40.5,67.5 42,67.5 44,69.5 v1(44,77.5)
/AXE4_E1: length 39.9
  Top w0.2: J20.5 42.39,77.61 43.5,76.5 51.5,76.5 54,74 54,60 52,58 U2.20
  Top w0.5: v2(44,84) 44.5,84.5 R87.1
  Bottom w0.5: v2(44,84) 44.93,83.07 U25.4 44.93,81.54 J20.5
/AXE4_E2: length 41.9
  Top w0.2: J20.6 39.85,77.65 41.5,76 51,76 53.5,73.5 53.5,60.5 51.5,58.5 U2.21
  Top w0.5: R88.1 37.5,84.5 v2(37,84)
  Bottom w0.5: v2(37,84) 38.58,82.42 U26.4 38.58,80.27 J20.6
/AXE4_LIM: length 49.6
  Top w0.2: U2.53 v1(40,47)
  Top w0.5: R86.1 v2(50,84.5)
  Bottom w0.2: J20.4 44.93,77.43 44.5,77 44.5,69 42.5,67 41,67 38.5,64.5 38.5,48.5 40,47 v1(40,47)
  Bottom w0.5: J20.4 46.43,80.5 50,80.5 50.95,81.45 U24.4 50.95,83.55 v2(50,84.5)
/AXE4_PULSE: length 47.5
  Top w0.2: U2.52 v1(40.5,47.5)
  Top w0.5: R85.1 53.5,85.03 J20.3
  Bottom w0.2: 40.5,47.5 39,49 39,64 41.5,66.5 43,66.5 47.47,70.97 J20.3
/AXE5_DIR: length 25.9
  Top w0.2: U2.87 51,21.19 J18.2
  Top w0.5: J18.2 48.19,18 47.5,18 R76.2
/AXE5_E1: length 30.6
  Top w0.2: U2.99 57,30.5 63,24.5 63,19.5 60.31,19.5 J18.5
  Top w0.5: R79.1 57.5,17 v1(57.5,17.5)
  Bottom w0.5: J18.5 56.36,18.55 U22.4 57.16,17.84 v1(57.5,17.5)
/AXE5_E2: length 23.8
  Top w0.2: U2.98 56.5,30 61.35,25.15 J18.6
  Top w0.5: R80.1 v1(64,17.5)
  Bottom w0.5: v1(64,17.5) 63.66,17.84 U23.4 62.71,19.64 J18.6
/AXE5_LIM: length 27.5
  Top w0.2: U2.88 51.5,29.5 56.27,24.73 J18.4
  Top w0.5: R78.1 v1(51.5,17.5)
  Bottom w0.5: v1(51.5,17.5) 51.16,17.84 U21.4 50.01,18.51 51,19.5 54.77,19.5 J18.4
/AXE5_PULSE: length 27.3
  Top w0.2: J18.3 53.73,26.27 v1(53.5,26.5) ; U2.96 55.5,32.5 56,32 v1(56,29.5)
  Top w0.5: J18.3 47,14.27 R77.1
  Bottom w0.2: v1(56,29.5) JP1.3 56,27 55.5,26.5 v1(53.5,26.5)
/CLK_50MHZ: length 75.5
  Top w0.2: U2.97 v1(56,33.5) ; U2.38 37.5,54.5 v1(35,57) 35,69 33.5,70.5 27,70.5 26.55,70.05 U9.42
  Bottom w0.2: v1(56,33.5) 56,33.5 50,33.5 49,32.5 41.5,32.5 38,36 38,41.5 35,44.5 v1(35,57)
/ESTOP: length 25.7
  Top w0.2: v1(75.5,39) 69.57,39 64.57,44 U2.122 ; R13.1 84.5,39.5 v1(84,40)
  Bottom w0.2: v1(75.5,39) 81.33,39 U3.4 83.75,39.75 v1(84,40)
/ETH_CRS_DV: length 28.3
  Top w0.2: U9.37 29.05,68.55 29.5,69 31.5,69 33.5,67 33.5,58.93 33,58.43 33,56.5 36,53.5 36,53.5 38.99,50.5 U2.46
/ETH_MDC: length 20.4
  Top w0.2: U9.24 29.41,59.59 v1(30.5,58.5) ; U2.29 47.5,58.5 v1(41,58.5)
  In2.Cu w0.2: v1(30.5,58.5) 41,58.5
/ETH_MDIO: length 15.9
  Top w0.2: v1(31,58) 31,60.5 30.5,61 U9.25 ; U2.39 37,54 v1(33.5,57.5)
  Bottom w0.2: v1(33.5,57.5) 31.5,57.5 v1(31,58)
/ETH_RESET: length 37.6
  Top w0.2: v1(35.5,49.5) 35.5,49.5 35.5,48.75 36.25,48 U2.51 ; 34.5,60.5 34.5,68.5 33,70 28,70 27.55,69.55 U9.40
  Bottom w0.2: R32.2 34,60 v1(34.5,60.5) 35.5,59.5 v1(35.5,49.5)
/ETH_RXD0: length 20.7
  Top w0.2: U2.47 38.49,50 32.5,56 32.5,62.5 32,63 U9.29
/ETH_RXD1: length 21.3
  Top w0.2: U2.48 37,49.5 ; U9.28 31.5,62.5 32,62 32,54.5 37,49.5
/ETH_TXD0: length 30.6
  Top w0.2: 36.5,47 34,47 29,52 29,55.5 27.05,57.45 U9.20 ; 36.5,47 v1(37.5,46) ; U2.72 v1(40.5,37.5)
  Bottom w0.2: v1(40.5,37.5) 40,38 40,43.5 37.5,46 v1(37.5,46)
/ETH_TXD1: length 35.3
  Top w0.2: 36,46.5 33.5,46.5 28.5,51.5 28.5,55 26.55,56.95 U9.19 ; 36,46.5 v1(37,45.5) ; v1(43.5,34.5) 44,35 U2.73
  Bottom w0.2: 43.5,34.5 42.5,34.5 39.5,37.5 39.5,43 37,45.5 v1(37,45.5)
/ETH_TXEN: length 28
  Top w0.2: U9.21 27.55,57.95 29.5,56 29.5,52.5 34.5,47.5 37,47.5 v1(38,46.5) ; v1(40.5,39.95) 40.5,40 40.5,40 U2.67
  Bottom w0.2: v1(38,46.5) 38,46.5 40.5,44 v1(40.5,39.95)
/Ethernet/L0: length 21.5
  Top w0.2: v1(8,62.5) 10,62.5 14.5,58 21,58 ; 21,58 21,61.5 U9.11 ; 21,58 R44.1
  Bottom w0.2: R40.1 v1(8,62.5)
/Ethernet/L1: length 28.5
  Top w0.2: U9.12 22.14,57.86 R45.1 22,56 15.5,56 10,61.5 7,61.5 7,64.5 v1(8,65.5)
  Bottom w0.2: R41.1 v1(8,65.5)
/Ethernet/L2: length 3.2
  Top w0.2: U9.13 23.55,58.45 R46.1
/Ethernet/RD+: length 12
  Top w0.2: U9.3 17.72,65.5 17.38,65.84 U10.3
  Bottom w0.2: R38.2 11.51,63 U10.3
/Ethernet/RD-: length 12.6
  Top w0.2: U9.4 v1(20,65)
  Bottom w0.2: R39.2 12.53,62.03 U10.6 17.53,62.03 20,64.5 v1(20,65)
/Ethernet/TD+: length 14.7
  Top w0.2: v1(19.25,64.75) 20.5,63.5 U9.7
  Bottom w0.2: R42.2 12.88,68.38 U10.1 18.12,68.38 19.25,67.25 v1(19.25,64.75)
/Ethernet/TD-: length 14.7
  Top w0.2: v1(18.5,65) 18.5,64 19.5,63 U9.8
  Bottom w0.2: R43.2 11.74,65 13.85,67.11 U10.2 17.89,67.11 18.5,66.5 v1(18.5,65)
/I2C_SCL: length 28.8
  Top w0.2: J1.3 67.75,67.75 v1(66,66) ; U2.133 65.57,49.5 68.5,52.43 v1(68.5,62.5)
  Bottom w0.2: R1.1 63,67 64,66 v1(66,66) ; v1(68.5,62.5) 68.5,67.21 J1.3
/I2C_SDA: length 30.1
  Top w0.2: v1(68,62) 68,52.5 65.5,50 U2.134
  Bottom w0.2: R2.1 63.94,71.44 66.81,71.44 J1.4 66.81,69.14 66.81,66.19 68,65 v1(68,62)
/LCD_BL: length 12.5
  Top w0.2: v1(72,35) 70,35 69,36 69,36.96 64.96,41 U2.116
  Bottom w0.2: R3.1 v1(72,35)
/LCD_D4: length 20.8
  Top w0.2: U2.112 64.7,39 67,36.7 67,33.5 68,32.5 72.99,32.5 75.47,30.02 75.47,28.4 J2.7
/LCD_D5: length 18.7
  Top w0.2: J2.8 73.41,33 68.5,33 67.5,34 67.5,36.76 64.76,39.5 U2.113
/LCD_D6: length 23.4
  Top w0.2: U2.114 64.83,40 68,36.83 68,34.5 69,33.5 74.77,33.5 78.01,30.26 78.01,28.4 J2.9
/LCD_D7: length 21.2
  Top w0.2: J2.10 74.95,34 69.5,34 68.5,35 68.5,36.89 64.9,40.5 U2.115
/LCD_E: length 16.3
  Top w0.2: U2.111 64,38.5 64,38.5 64.63,38.5 66.5,36.63 66.5,33 67.5,32 71.87,32 J2.6
/LCD_RS: length 13.8
  Top w0.2: J2.4 70.39,30.94 66.56,30.94 65.5,32 65.5,36.5 64.5,37.5 U2.109
/LCD_RW: length 18.3
  Top w0.2: U2.110 64.57,38 66,36.57 66,32.5 67,31.5 71.45,31.5 72.93,30.02 72.93,28.4 J2.5
/LED1: length 43.9
  Top w0.2: R8.2 81.5,60.88 81.5,40 79.5,38 69.44,38 64.44,43 U2.120
/LED2: length 40.3
  Top w0.2: U2.121 64.51,43.5 69.51,38.5 79,38.5 81,40.5 81,59 R9.2
/panel_D0: length 18.2
  Top w0.2: J1.6 69.35,69.14 69.35,66.85 65.5,63 65.5,60 64,58.5 62,58.5 61.5,58 U2.1
/panel_D1: length 21.4
  Top w0.2: U2.139 65.5,52.5 66,53 66,62.5 70,66.5 71.79,66.5 J1.7
/panel_D2: length 26.3
  Top w0.2: U2.138 65.57,52 66.5,52.93 66.5,62.43 70.07,66 73,66 74.43,67.43 74.43,68.9 J1.8
/panel_D3: length 24.3
  Top w0.2: U2.137 65.63,51.5 67,52.87 67,62.37 70.13,65.5 73.33,65.5 J1.9
/panel_D4: length 29.8
  Top w0.2: J1.10 77,68.87 77,66.5 75.5,65 70.2,65 67.5,62.3 67.5,52.8 65.7,51 65.5,51 65.5,51 U2.136
/PROBE: length 32.3
  Top w0.2: v1(82,29) 82,32 77.5,36.5 70.03,36.5 65.03,41.5 U2.117 ; R51.1 86,27.5 v1(85,27.5)
  Bottom w0.2: v1(85,27.5) 84.5,27.5 84.05,27.05 U11.4 82.05,27.05 82,27 v1(82,29)
/RELAY1: length 58.8
  Top w0.2: R47.1 v1(83.5,51) ; v1(50.5,26) U2.86
  Bottom w0.2: v1(83.5,51) 83.5,44 79,39.5 74.5,39.5 60,25 51.5,25 v1(50.5,26)
/RELAY2: length 62
  Top w0.2: v1(50,26.5) U2.85 ; R48.1 v1(83.5,55)
  Bottom w0.2: v1(83.5,55) 83,54.5 83,44.5 78.5,40 74,40 59.5,25.5 52,25.5 51,26.5 v1(50,26.5)
/RELAY3: length 65
  Top w0.2: v1(49.5,27.25) U2.84 ; R49.1 v1(83.5,59)
  Bottom w0.2: v1(83.5,59) 82.5,58 82.5,45 78,40.5 73.5,40.5 59,26 52.5,26 51.25,27.25 v1(49.5,27.25)
/RESET: length 48.7
  Top w0.2: U2.27 v1(48.5,58.5)
  In2.Cu w0.2: SW1.2 SW1.2
  Bottom w0.2: J6.10 73.96,53.11 74,53.15 74,53.5 67,60.5 61,60.5 ; SW1.2 61,65.5 R4.2 61,60.5 ; 61,60.5 60,60.5 59,59.5 59,59 58.5,58.5 48.5,58.5
/SP_DIR: length 46.7
  Top w0.2: U2.75 45,27 v1(49,23) ; R14.2 v1(79.5,20.5)
  Bottom w0.2: v1(49,23) 65.5,23 68,20.5 v1(79.5,20.5)
/SP_ENA: length 39.7
  Top w0.2: R16.2 v1(73,21) ; U2.76 45.5,30.5 45.5,30.5 45.5,27.5 v1(49.5,23.5)
  Bottom w0.2: v1(73,21) 68.5,21 66,23.5 v1(49.5,23.5)
/SP_PULSE: length 34.5
  Top w0.2: R15.2 v1(66.5,20.5) ; U2.74 44.5,26.5 v1(48.5,22.5)
  Bottom w0.2: v1(66.5,20.5) 64.5,22.5 v1(48.5,22.5)
/SP_TEST: length 56.1
  Top w0.2: v1(50,24) 46,28 46,30.5 46,30.5 U2.77
  Top w0.5: R17.1 v1(86,20)
  Bottom w0.2: v1(86,20) 84.5,21.5 69,21.5 66.5,24 v1(50,24)
  Bottom w0.5: v1(86,20) 87.22,20 U7.4
/SW1: length 41.5
  Top w0.2: U2.66 41.92,40.45 38.45,40.45 35.5,37.5 v1(35.5,28)
  Bottom w0.2: v1(35.5,28) 34.75,28 33.75,27 20,27 17.5,24.5 SW2.4
/SW2: length 43.4
  Top w0.2: U2.65 41.05,41 40.99,40.94 37.94,40.94 35,38 v1(35,27.5)
  Bottom w0.2: SW2.3 15.96,21.96 20.5,26.5 34,26.5 v1(35,27.5)
/TCK: length 21.5
  Top w0.2: v1(66.75,43) 71.92,43 J6.4 ; v1(61.5,34) 61,34.5 U2.107
  Bottom w0.2: v1(66.75,43) 66.5,42.75 66.5,37.93 62.57,34 v1(61.5,34)
/TDI: length 26.5
  Top w0.2: v1(62,34.5) 61.5,35 U2.108 ; J6.8 75.11,48.97 75.11,46.56 74.98,46.43 71.43,46.43 71,46 68.5,46 v1(66,43.5)
  Bottom w0.2: v1(66,43.5) 66,38 62.5,34.5 v1(62,34.5)
